# Allegro board EPTS_PERFANL_B_TEZ_V0_0.brd
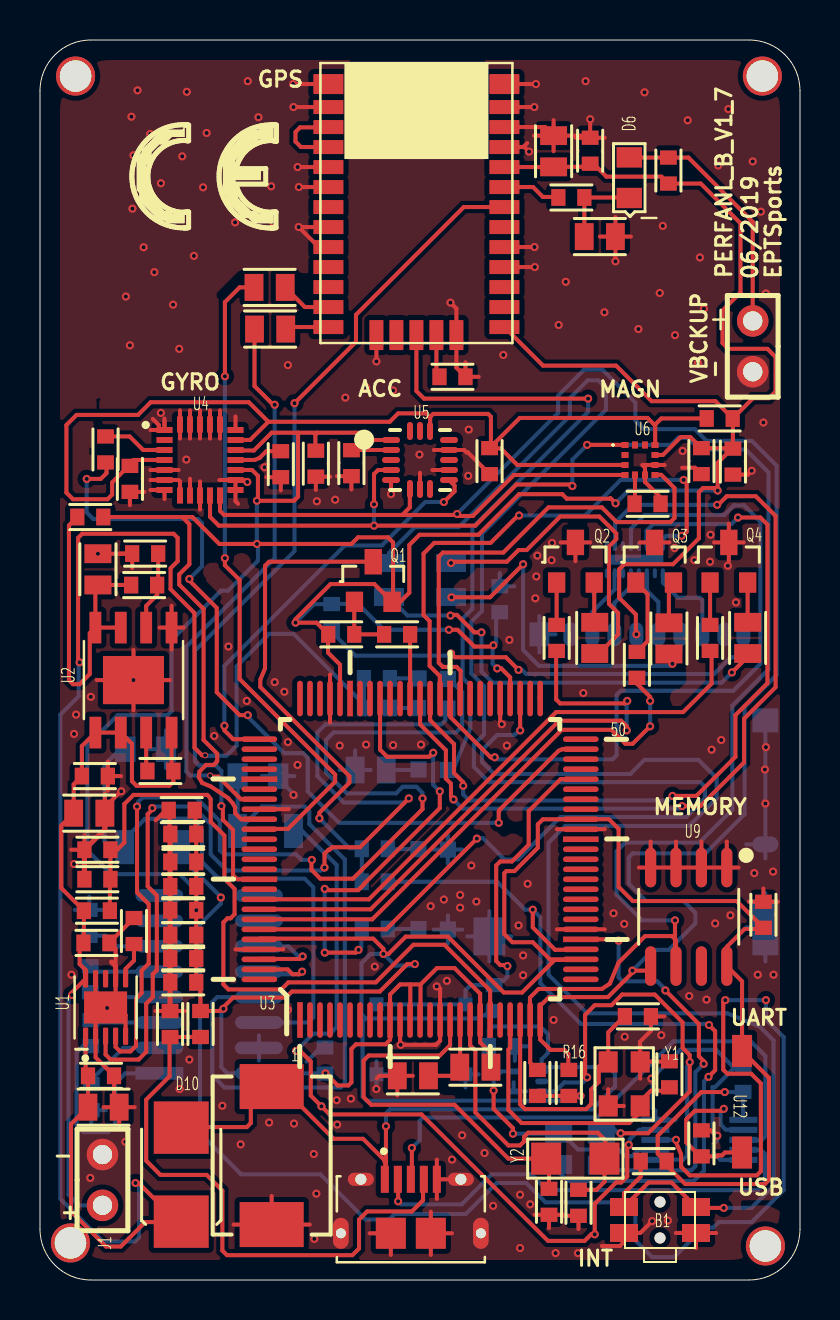
[diagram p0: board, top side]
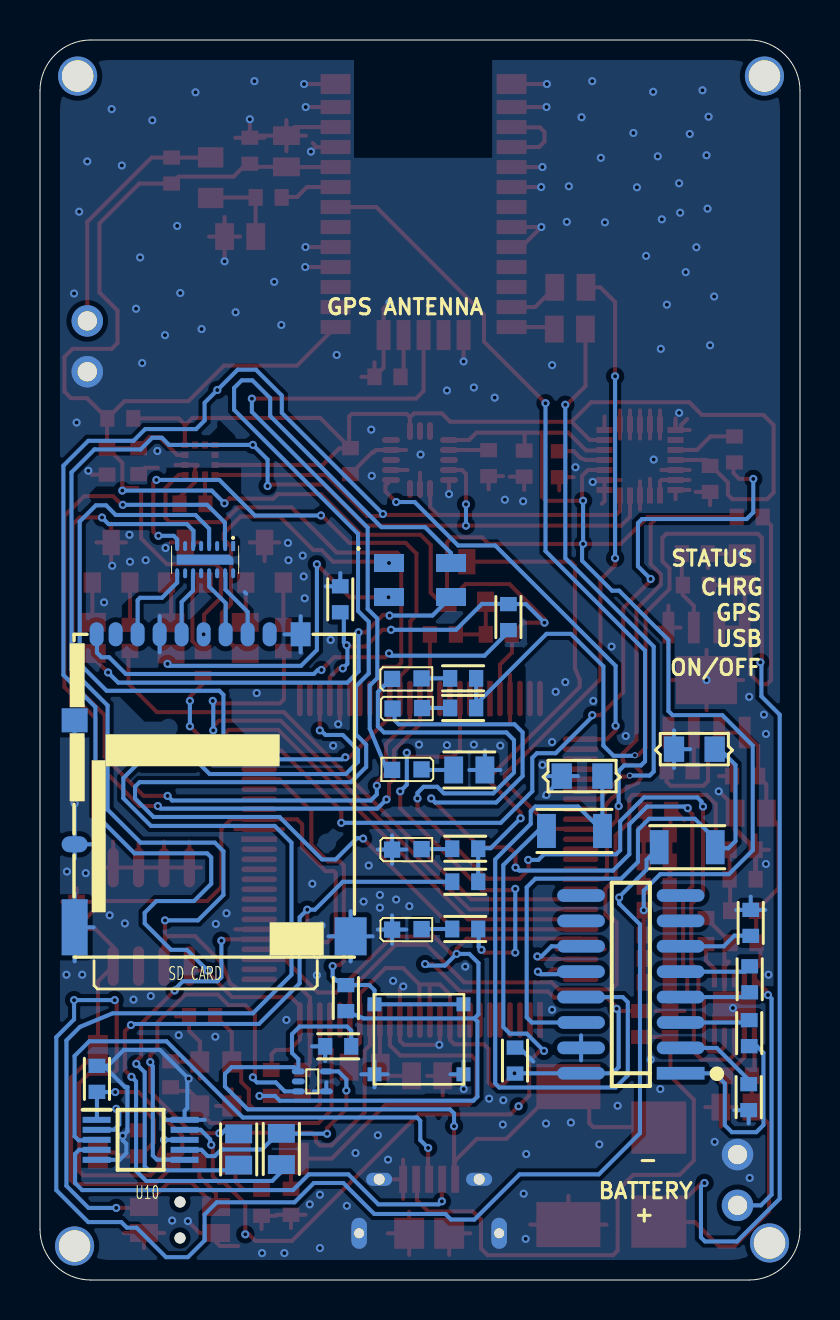
[diagram p1: board, bottom side, seen from below]

Outline 38 x 62 mm; copper layers: TOP, BOTTOM. Coordinates in mm from the lower left corner of the outline.
Outline path: 0,59.46 0,2.54 arc(0.74,0.74) 2.54,0 35.46,0 arc(37.26,0.74) 38,2.54 38,59.46 arc(37.26,61.26) 35.46,62 2.54,62 arc(0.74,61.26) 0,59.46

## Design rules (mm)
constraint set DEFAULT: min track width 0.203

## Placement (name value [footprint] x y rotation side)
B1  SPST_4PIN  [SKSCLDE010]  31 3 0 top
C1  10u/6V3/CER  [SMC0805]  3.18 8.64 0 top
C2  100n  [SMC0603]  3.05 10.21 0 top
C3  0.1u  [SMC0603]  2.82 16.85 0 top
C4  100n  [SMC0603]  2.87 21.51 180 top
C5  10u/6V3/CER  [SMC0805]  2.46 23.34 0 top
C6  100n  [SMC0603]  2.74 25.2 0 top
C7  10u/6V3/CER  [SMC0805]  2.9 35.53 90 top
C8  15p  [SMC0603]  31.47 10.29 90 top
C9  1u  [SMC0805]  18.64 10.21 180 top
C10  15p  [SMC0603]  29.9 13.18 0 top
C11  18p  [SMC0603]  25.45 3.91 90 top
C12  18p  [SMC0603]  26.92 3.86 90 top
C13  100n  [SMC0603]  7.16 14.88 180 top
C14  100n  [SMC0603]  7.16 16.08 180 top
C15  100n  [SMC0603]  7.16 17.25 180 top
C16  100n  [SMC0603]  7.16 18.49 180 top
C17  100n  [SMC0603]  7.16 19.68 180 top
C18  100n  [SMC0603]  7.16 20.9 180 top
C19  100n  [SMC0603]  7.16 22.3 180 top
C20  100n  [SMC0603]  7.09 23.49 180 top
C21  100n  [SMC0603]  12.04 40.79 90 top
C22  100n  [SMC0603]  4.5 40.05 90 top
C23  100n  [SMC0603]  13.79 40.82 90 top
C24  100n  [SMC0603]  15.57 40.84 90 top
C25  100n  [SMC0603]  22.48 40.94 90 top
C26  10u/6V3/CER  [SMC0805]  25.68 56.44 90 top
C27  100n  [SMC0603]  27.51 56.46 90 top
C28  10u/6V3/CER  [SMC0805]  27.99 52.17 0 top
C29  100n  [SMC0603]  33.07 40.94 90 top
C30  10u  [SMC0603]  34.65 40.92 90 top
C31  220n  [SMC0603]  30.38 38.81 180 top
C32  100n  [SMC0603]  14.25 10.97 90 bottom
C33  100n  [SMC0603]  22.99 34.03 270 bottom
C34  220n  [SMC0603]  2.54 12.34 90 bottom
C35  220n  [SMC0603]  2.51 15.04 90 bottom
C36  220n  [SMC0603]  2.46 17.85 90 bottom
C37  220n  [SMC0603]  2.57 9.14 270 bottom
C38  0.1u  [SMC0603]  23.09 11.68 180 bottom
C39  100n  [SMC0603]  36.17 18.26 90 top
C40  100n  [SMC0603]  35.15 10.06 90 bottom
D1  LED-RED  [LED_0603]  19.63 28.6 0 bottom
D2  LED-GREEN  [LED_0603]  19.66 30.08 0 bottom
D3  LED-GREEN  [LED_0603]  19.66 21.55 0 bottom
D4  LED-GREEN  [LED_0603]  19.66 17.55 0 bottom
D5  WL-SFTW  [WL-SFTW_3528]  19 35 180 bottom
D6  1N4148WX  [SMDSOD323SD05T]  29.46 56.13 90 top
D7  LED-GREEN  [LED_0603]  19.66 25.51 180 bottom
D8  SD12C  [SMDSOD323PESD5V]  4.27 26.54 180 bottom
D9  SD12C  [SMDSOD323PESD5V]  9.88 25.2 180 bottom
D10  MBRA340T3  [SMDO214AA21]  7.06 7.62 90 top
D11  SMCJ6.5A  [DIOM8059X265N]  11.58 6.22 90 top
FB1  MPZ1608S601A  [SMR0603]  2.51 38.15 0 top
FB2  MPZ1608S601A  [SMR0603]  33.99 43.08 180 top
IC1  -  [CAM-M8Q]  18.82 53.85 90 top
J1  CON2  [JUMPER2PAD]  3.12 3.73 90 top
J2  MicroSD_DM3AT  [DM3AT-SF-PEJM5]  29.72 23.87 180 bottom
J5  VBCKP  [JUMPER2PAD]  35.64 47.95 270 top
J6  10118194-0001LF  [AMPHENOL_10118194-0001LF]  18.54 2.34 0 top
NOREF  -  [unnamed]  1.52 1.85 0 top
NOREF#2  -  [unnamed]  36.12 60.2 0 top
NOREF#3  -  [#2]  3.94 49.78 0 top
NOREF#4  -  [unnamed]  36.27 1.7 0 top
NOREF#5  -  [unnamed]  1.78 60.2 0 top
Q1  BC807  [SMSOT23123]  15.72 33.91 0 top
Q2  BC807  [SMSOT23123]  25.83 34.87 0 top
Q3  BC807  [SMSOT23123]  29.79 34.87 0 top
Q4  BC807  [SMSOT23123]  33.5 34.87 0 top
R1  1.5k  [SMR0603]  16.84 28.6 180 bottom
R2  2k2  [SMR0603]  2.84 18.46 180 top
R3  1.5k  [SMR0603]  16.84 30.08 180 bottom
R4  1k  [SMR0603]  4.7 17.45 90 top
R5  6k8  [SMR0603]  2.87 20.04 0 top
R6  100k  [SMR0603]  6.02 25.45 180 top
R7  6k8  [SMR0603]  5.21 34.75 0 top
R8  2k2  [SMR0603]  5.26 36.32 180 top
R9  1k5  [SMR0603]  22.71 14.1 270 bottom
R10  10k  [SMR0603]  15.06 32.28 0 top
R11  2k2  [SMR0603]  17.86 32.28 0 top
R12  10k  [SMR0603]  30.68 5.94 0 top
R13  1k5  [SMR0603]  16.74 21.56 180 bottom
R14  1k5  [SMR0603]  16.74 19.91 180 bottom
R15  1k5  [SMR0603]  8.03 12.8 90 top
R16  1k5  [SMR0603]  26.44 9.85 270 top
R17  1k5  [SMR0603]  24.87 9.85 270 top
R18  1k5  [SMR0603]  6.5 12.8 270 top
R19  470R  [SMR0603]  16.74 17.55 0 bottom
R20  10k  [SMR0805]  21.77 10.64 180 top
R21  220R  [SMR0805]  35.38 32.1 90 top
R22  220R  [SMR0805]  27.74 32.1 90 top
R23  220R  [SMR0805]  31.45 32.08 90 top
R24  1k  [SMR0603]  29.84 30.76 270 top
R25  1k  [SMR0603]  25.83 32.1 270 top
R26  1k  [SMR0603]  33.5 32.1 270 top
R28  0R  [SMR0603]  3.28 41.53 270 top
R29  220R  [SMR0805]  11.51 47.55 180 top
R30  220R  [SMR0805]  11.48 49.63 180 top
R31  1k  [SMR0603]  26.57 54.13 0 top
R32  100k  [SMR0603]  20.62 45.16 0 top
R33  220R  [SMR0805]  16.54 25.5 180 bottom
R34  470R  [SMR1206]  5.64 21.64 180 bottom
R35  470R  [SMR1206]  11.28 22.45 180 bottom
R36  10k  [SMR0603]  14.58 33.15 270 bottom
R37  33R  [SMR0805]  28.07 6.53 90 bottom
R38  33R  [SMR0805]  25.93 6.55 90 bottom
R39  10k  [SMR0603]  33.07 6.83 90 top
R40  0R  [SMR0603]  31.42 55.47 270 top
S1  PUSH-BUTTON-SWITCH  [TL3315NF100Q]  19.05 12.03 180 bottom
U1  BQ24080DRCR  [SON50P300X300X100-11N]  3.28 13.63 90 top
U2  AP7165-SPG-13  [SOIC127P600X163-9N]  4.67 30 90 top
U3  LPC1768  [QUAD50M100WG1660]  13 13 0 top
U4  -  [FXAS21002CQR1]  -92 -59 0 top
U5  MMA8452Q  [QFN50P300X300X100-16N]  19 41 0 top
U6  IIS2MDC  [IIS2MDCTR]  -70 -59 0 top
U7  ST3232CDR  [SOG05016WG244L400]  8.51 14.78 90 bottom
U8  IP4252CZ16  [UFDFN16_IP425X]  29.74 36.02 270 bottom
U9  MB85RC64PNF-G-JNE1  [SOG0508WG244L200]  32.44 18.16 270 top
U10  FSUSB42MUX  [SOP50P490X110-10N]  132.97 -92.99 180 bottom
U11  TPD2E001  [TPD2E001DRLR]  24.38 9.93 180 bottom
U12  -  [CHS-01TA]  35.1 8.91 0 top
Y1  TSX-3225 16.0000MF09Z-AC0  [XTALDFN4]  29.21 9.8 90 top
Y2  CM315D32768DZFT  [XTAL_CM315_SMD]  26.77 6.07 180 top

## Library data of the parts
B1 = SPST_4PIN
C1 C2 C5-C32 C34-C37 C39 C40 = CAPACITOR NON-POL
C3 C4 C38 = CAP NP
C33 = C
D1-D4 D7 = LED
D5 = WL-SFTW
D6 = DIODE ZENER
D8 D9 = DIODE TVS BI-DIR
D10 = 1N5819M/CYL
D11 = DIODE TVS
FB1 FB2 = INDUCTOR/SM
IC1 = CAM-M8Q_0
J1 = CON2
J2 = CON14MICROSD
J5 = HEADER 2
J6 = 10118194-0001LF
Q1-Q4 = BC807-25L
R1-R5 R7-R11 R13-R18 R24-R26 R31 R32 R34 R35 R39 = RESISTOR/SM_0
R6 R19 R21-R23 R29 R30 R33 = RESISTOR
R12 R20 = RESISTOR/SM
R28 R36-R38 R40 = R
S1 = PUSH-BUTTON-SWITCH
U1 = BQ24081DCR
U2 = AP7165-SPG-13_0
U3 = LPC236x_1
U4 = FXAS21002CQR1
U5 = MAX9754_0
U6 = IIS2MDC
U7 = ICL232/SO_4
U8 = IP4252CZ16
U9 = AT24C64N/SO8_0
U10 = FSUSB42MUX
U11 = MCP2551_0
U12 = CHS-01TA_0
Y1 = CRYSTAL_3
Y2 = CRYSTAL/SM

## Footprints (pads in the part's own frame, mm; a bottom-side part is the same pattern mirrored in y, then rotated)
AMPHENOL_10118194-0001LF
  rect 0.4x1.35 smd: 1(-1.3,2.7) 2(-0.65,2.7) 3(0,2.7) 4(0.65,2.7) 5(1.3,2.7)
  oval 1.3x0.65 hole 0.55: S1(-2.5,2.7) S2(2.5,2.7)
  oval 0.775x1.55 hole 0.5: S3(-3.5,0) S6(3.5,0)
  rect 1.5x1.55 smd: S4(-1,0) S5(1,0)
CAM-M8Q
  custom 0.7x1.5 smd: 1(-6.2,-4.4) 2(-5.2,-4.4) 3(-4.2,-4.4) 4(-3.2,-4.4) 5(-2.2,-4.4) 6(-1.2,-4.4) 7(-0.2,-4.4) 8(0.8,-4.4) 9(1.8,-4.4) 10(2.8,-4.4) 11(3.8,-4.4) 12(4.8,-4.4) 15(4.8,4.4) 16(3.8,4.4) 17(2.8,4.4) 18(1.8,4.4) 19(0.8,4.4) 20(-0.2,4.4) 21(-1.2,4.4) 22(-2.2,4.4) 23(-3.2,4.4) 24(-4.2,4.4) 25(-5.2,4.4) 26(-6.2,4.4)
  custom 1x1.5 smd: 13(5.95,-4.4) 14(5.95,4.4)
  custom 1.5x0.7 smd: 27(-6.6,2) 28(-6.6,1) 29(-6.6,0) 30(-6.6,-1) 31(-6.6,-2)
CHS-01TA
  rect 1x1.6 smd: S0(0,-2.54) SI(0,2.54)
DIOM8059X265N
  rect 2.25x3.2 smd: 1(-3.45,0) 2(3.45,0)
DM3AT-SF-PEJM5
  oval 0.7x1.2 smd: 1(3.2,8.41) 2(2.1,8.41) 3(1,8.41) 4(-0.1,8.41) 5(-1.2,8.41) 6(-2.3,8.41) 7(-3.4,8.41) 8(-4.5,8.41) 9(-5.45,8.41)
  oval 1.3x0.8 smd: 10(-6.55,-2.09)
  rect 1.3x1.2 smd: 11(-6.55,4.11)
  rect 1.3x2.8 smd: 12(-6.55,-6.24)
  rect 1.6x1.9 smd: 13(7.25,-6.69)
  rect 1x1.2 smd: 14(4.75,8.41)
FXAS21002CQR1
  rect 0.8x0.3 smd: 1(98.225,101.5) 2(98.225,101) 3(98.225,100.5) 4(98.225,100) 5(98.225,99.5) 6(98.225,99) 7(98.225,98.5) 13(101.775,98.5) 14(101.775,99) 15(101.775,99.5) 16(101.775,100) 17(101.775,100.5) 18(101.775,101) 19(101.775,101.5)
  rect 0.3x0.8 smd: 8(99,98.225) 9(99.5,98.225) 10(100,98.225) 11(100.5,98.225) 12(101,98.225) 20(101,101.775) 21(100.5,101.775) 22(100,101.775) 23(99.5,101.775) 24(99,101.775)
IIS2MDCTR
  rect 0.35x0.3 smd: 1(99.25,100.75) 2(99.25,100.25) 3(99.25,99.75) 4(99.25,99.25) 7(100.75,99.25) 8(100.75,99.75) 9(100.75,100.25) 10(100.75,100.75)
  rect 0.3x0.35 smd: 5(99.75,99.25) 6(100.25,99.25) 11(100.25,100.75) 12(99.75,100.75)
JUMPER2PAD
  round 1.575 hole 0.965: 1(0,0) 2(2.54,0)
LED_0603
  rect 0.813x0.813 smd: 1(-0.737,0) 2(0.737,0.025)
QFN50P300X300X100-16N
  oval 0.9x0.3 smd: 1(-1.45,1) 2(-1.45,0.5) 3(-1.45,0) 4(-1.45,-0.5) 5(-1.45,-1) 9(1.45,-1) 10(1.45,-0.5) 11(1.45,0) 12(1.45,0.5) 13(1.45,1)
  oval 0.3x0.9 smd: 6(-0.5,-1.45) 7(0,-1.45) 8(0.5,-1.45) 14(0.5,1.45) 15(0,1.45) 16(-0.5,1.45)
QUAD50M100WG1660
  rect 0.279x1.778 smd: 1(0,0) 10(4.503,0) 20(9.507,0) 60(7.506,16.073) 70(2.502,16.073)
  oval 0.279x1.778 smd: 2(0.5,0) 3(1.001,0) 4(1.501,0) 5(2.002,0) 6(2.502,0) 7(3.002,0) 8(3.503,0) 9(4.003,0) 11(5.004,0) 12(5.504,0) 13(6.005,0) 14(6.505,0) 15(7.005,0) 16(7.506,0) 17(8.006,0) 18(8.506,0) 19(9.007,0) 21(10.008,0) 22(10.508,0) 23(11.008,0) 24(11.509,0) 25(12.009,0) 51(12.009,16.073) 52(11.509,16.073) 53(11.008,16.073) 54(10.508,16.073) 55(10.008,16.073) 56(9.507,16.073) 57(9.007,16.073) 58(8.506,16.073) 59(8.006,16.073) 61(7.005,16.073) 62(6.505,16.073) 63(6.005,16.073) 64(5.504,16.073) 65(5.004,16.073) 66(4.503,16.073) 67(4.003,16.073) 68(3.503,16.073) 69(3.002,16.073) 71(2.002,16.073) 72(1.501,16.073) 73(1.001,16.073) 74(0.5,16.073) 75(0,16.073)
  oval 1.778x0.279 smd: 26(14.041,2.032) 27(14.041,2.532) 28(14.041,3.033) 29(14.041,3.533) 31(14.041,4.534) 32(14.041,5.034) 33(14.041,5.535) 34(14.041,6.035) 35(14.041,6.535) 36(14.041,7.036) 37(14.041,7.536) 38(14.041,8.037) 39(14.041,8.537) 41(14.041,9.538) 42(14.041,10.038) 43(14.041,10.538) 44(14.041,11.039) 45(14.041,11.539) 46(14.041,12.04) 47(14.041,12.54) 48(14.041,13.04) 49(14.041,13.541) 50(14.041,14.041) 76(-2.032,14.041) 77(-2.032,13.541) 78(-2.032,13.04) 79(-2.032,12.54) 81(-2.032,11.539) 82(-2.032,11.039) 83(-2.032,10.538) 84(-2.032,10.038) 85(-2.032,9.538) 86(-2.032,9.037) 87(-2.032,8.537) 88(-2.032,8.037) 89(-2.032,7.536) 91(-2.032,6.535) 92(-2.032,6.035) 93(-2.032,5.535) 94(-2.032,5.034) 95(-2.032,4.534) 96(-2.032,4.034) 97(-2.032,3.533) 98(-2.032,3.033) 99(-2.032,2.532) 100(-2.032,2.032)
  rect 1.778x0.279 smd: 30(14.041,4.034) 40(14.041,9.037) 80(-2.032,12.04) 90(-2.032,7.036)
SKSCLDE010
  round 0.55 hole 0.55 unplated: (0,0.9) (0,-0.9)
  rect 1.4x0.9 smd: 1(-1.8,-0.65) 2(1.8,-0.65) 3(-1.8,0.65) 4(1.8,0.65)
SMC0603
  rect 0.711x0.838 smd: 1(-0.65,0) 2(0.65,0)
SMC0805
  rect 0.94x1.346 smd: 1(-0.78,0) 2(0.78,0)
SMDO214AA21
  rect 2.616x2.743 smd: 1(0,0) 2(-4.699,0)
SMDSOD323PESD5V
  rect 1.016x1.27 smd: 1(0,0) 2(-2.032,0)
SMDSOD323SD05T
  rect 1.016x1.27 smd: 1(0,0) 2(-2.032,0)
SMR0603
  rect 0.711x0.838 smd: 1(-0.65,0) 2(0.65,0)
SMR0805
  rect 0.94x1.346 smd: 1(-0.78,0) 2(0.78,0)
SMR1206
  rect 0.94x1.702 smd: 1(-1.4,0) 2(1.4,0)
SMSOT23123
  rect 0.864x1.016 smd: 1(0,0) 2(1.88,0)
  rect 0.864x1.27 smd: 3(0.94,2.007)
SOG0508WG244L200
  oval 1.981x0.559 smd: 1(-2.464,1.905) 2(-2.464,0.635) 3(-2.464,-0.635) 4(-2.464,-1.905) 5(2.464,-1.905) 6(2.464,-0.635) 7(2.464,0.635) 8(2.464,1.905)
SOG05016WG244L400
  rect 0.635x2.388 smd: 1(-4.445,-2.54)
  oval 0.635x2.388 smd: 2(-3.175,-2.54) 3(-1.905,-2.54) 4(-0.635,-2.54) 5(0.635,-2.54) 6(1.905,-2.54) 7(3.175,-2.54) 8(4.445,-2.54) 9(4.445,2.438) 10(3.175,2.438) 11(1.905,2.438) 12(0.635,2.438) 13(-0.635,2.438) 14(-1.905,2.438) 15(-3.175,2.438) 16(-4.445,2.438)
SOIC127P600X163-9N
  rect 1.58x0.59 smd: 1(-2.625,1.905) 2(-2.625,0.635) 3(-2.625,-0.635) 4(-2.625,-1.905) 5(2.625,-1.905) 6(2.625,-0.635) 7(2.625,0.635) 8(2.625,1.905)
  rect 2.41x3.05 smd: 9(0,0)
SON50P300X300X100-11N
  custom 0.86x0.26 smd: 1(-1.435,1) 2(-1.435,0.5) 3(-1.435,0) 4(-1.435,-0.5) 5(-1.435,-1) 6(1.435,-1) 7(1.435,-0.5) 8(1.435,0) 9(1.435,0.5) 10(1.435,1)
  rect 1.6x2.15 smd: 11(0,0)
SOP50P490X110-10N
  rect 1.4x0.3 smd: 1(97.8,101) 2(97.8,100.5) 3(97.8,100) 4(97.8,99.5) 5(97.8,99) 6(102.2,99) 7(102.2,99.5) 8(102.2,100) 9(102.2,100.5) 10(102.2,101)
TL3315NF100Q
  rect 0.7x0.7 smd: 1(-2.225,1.75) 2(2.225,1.75) 3(-2.225,-1.75) 4(2.225,-1.75)
TPD2E001DRLR
  oval 0.65x0.3 smd: 1(-0.7,0.5) 2(-0.7,0) 3(-0.7,-0.5) 4(0.7,-0.5) 5(0.7,0.5)
UFDFN16_IP425X
  rect 0.5x0.2 smd: 1(-0.68,1.4)
  oval 0.5x0.2 smd: 2(-0.68,1) 3(-0.68,0.6) 4(-0.68,0.2) 5(-0.68,-0.2) 6(-0.68,-0.6) 7(-0.68,-1) 8(-0.68,-1.4) 9(0.68,-1.4) 10(0.68,-1) 11(0.68,-0.6) 12(0.68,-0.2) 13(0.68,0.2) 14(0.68,0.6) 15(0.68,1) 16(0.68,1.4)
  oval 0.2x0.5 smd: 17(0,0)
unnamed
  round 1.956 hole 1.575: 3(0,0)
WL-SFTW_3528
  rect 1.5x0.9 smd: 1(1.55,0.85) 2(1.55,-0.85) 3(-1.55,0.85) 4(-1.55,-0.85)
XTAL_CM315_SMD
  rect 1.499x1.6 smd: 1(-1.453,0) 2(1.463,0)
XTALDFN4
  rect 1.06x0.95 smd: 1(-1.1,-0.8) 2(1.1,-0.8) 3(1.1,0.8) 4(-1.1,0.8)

## Nets
3.3V_UC: C13.1 C14.1 C15.1 C16.1 C17.1 C18.1 C19.1 C20.1 C23.2 C26.1 C27.1 C29.2 C30.2 C32.1 C33.2 C39.1 C40.1 FB1.2 FB2.1 IC1.1(VIO) IC1.9 J2.4 Q1.2(EMITTER) R9.2 R10.1 R12.2 R15.2 R16.2 R17.2 R20.1 R36.1 R40.2 U3.10 U3.12 U3.13 U3.19 U3.28 U3.42 U3.54 U3.71 U3.84 U3.96 U4.15 U4.17 U5.1(VDDIO) U6.9 U7.16(VCC) U9.8 U10.1 U12.SI
AVDD33: C22.2 C25.2 FB2.2 U4.4 U4.18 U5.14 U6.3 U6.10(VDDIO)
GND: B1.1 B1.2 C1.2 C2.2 C3.2 C4.2 C5.2 C6.2 C7.2 C8.2 C9.2 C10.2 C11.1 C12.1 C13.2 C14.2 C15.2 C16.2 C17.2 C18.2 C19.2 C20.2 C21.1 C22.1 C23.1 C24.1 C25.1 C26.2 C27.2 C28.2 C29.1 C30.1 C31.1 C32.2 C33.1 C36.2 C37.2 C38.1 C39.2 C40.2 D3.2(CATHODE) D4.2(CATHODE) D8.2 D9.2 D11.1 IC1.4 IC1.5 IC1.10 IC1.11 IC1.12 IC1.13 IC1.14 IC1.15 IC1.18 IC1.19 IC1.21 IC1.22 IC1.27 IC1.31 J1.2 J2.6 J2.10 J2.11 J2.12 J2.13 J2.14 J5.2 J6.5 J6.S1 J6.S2 J6.S3 J6.S4 J6.S5 J6.S6(SHIELD__5) Q2.3 Q3.3 Q4.3 R4.2 R5.1 R8.2 R18.1 R32.2 R33.2 R39.2 S1.3 S1.4(P$2__1) U1.2 U1.5(VSS) U1.7 U1.9 U1.11 U2.5 U2.9 U3.11 U3.15 U3.31 U3.41 U3.55 U3.72 U3.83 U3.97 U4.1 U4.5 U4.6 U4.7 U4.8 U4.9 U4.10 U4.13 U4.14 U4.19 U4.20 U4.21 U4.22 U4.23 U4.24 U5.5 U5.7 U5.10 U5.12 U6.6 U6.8 U7.15 U8.17(GND) U9.1 U9.2 U9.3 U9.4 U10.5 U10.10(_OE) U11.4 Y1.2 Y1.4
VBAT: C3.1 C5.1 C6.1 J1.1 R2.2 R6.1 U1.10 U2.1 U2.2 U2.4
VBAT_ADC: C4.1 R2.1 R5.2 U3.20
VBUS: C1.1 C2.1 D10.2(CATHODE) R1.2 R3.2 U1.1
ACC_INT: U3.76 U5.9
GPS_INT: IC1.7 U3.90
GYRO_INT: R28.2 U3.49
MAGNO_INT: U3.59 U6.7
MCI_CS: U3.63 U8.2
MCI_DAT_IN: U3.60 U8.4
MCI_DAT_OUT: U3.61 U8.8
MCI_DETECT: J2.9 R36.2
MCI_SCL: U3.62 U8.6
NC4: U5.15
NC5: U5.16
ON/OFF: R9.1 S1.1 S1.2 U3.46
ON_OFF_LED: R19.1 U3.67
RGB_BLUE: R26.2 U3.92
RGB_CONTROL: D5.1 U3.95
RGB_GREEN: R24.2 U3.94
RGB_RED: R25.2 U3.93
SCL: R17.1 U3.24 U4.11 U5.4 U6.1 U9.6
SDA: R16.1 U3.25 U4.12 U5.6 U6.4 U9.5
UC_RXD0: U3.99 U7.12
UC_RXD0_232: R35.1 U10.9
UC_RXD3: R30.2 U3.85
UC_TXD0: U3.98 U7.11
UC_TXD0_232: R34.1 U10.8
UC_TXD3: R29.2 U3.82
USB_CON: R11.2 U3.64
USB_DN: R37.1 U3.30
USB_DP: R14.1 R38.1 U3.29
USB_ID: J6.4 R15.1 R18.2
N17244: R7.2 R8.1 U2.6
N17270: C7.1 FB1.1 R7.1 U2.7 U2.8
N39514: Q4.1 R26.1
N39522: Q4.2(EMITTER) R21.2
N40407: Q2.1 R25.1
N40419: Q2.2(EMITTER) R22.2
N40627: Q3.1 R24.1
N40639: Q3.2(EMITTER) R23.2
N40729: D5.2 R21.1
N40756: D5.4 R23.1
N41543: D5.3(RC) R22.1
N77164: IC1.26 R29.1
N77272: IC1.16 IC1.17
N77740: IC1.8 R31.1
N79263: IC1.25 R30.1
N79331: D7.1 IC1.29
N79337: IC1.30 R32.1
N79832: D7.2(CATHODE) R33.1
N89007: R38.2 U10.7 U11.5
N89296: R37.2 U10.6 U11.3
N89931: C38.2 D10.1 D11.2(CATHODE) J6.1 U11.1(VCC)
N90614: J6.2 U10.4
N90618: J6.3 U10.3
N117234: R39.1 U10.2 U12.S0(SO)
N125821: R28.1 U4.3
N127071: C21.2 U4.16(VREGD)
N134848: R6.2 U2.3(POK)
N140250: J2.5 U8.11
N140575: J2.7 U8.9
N141763: B1.3(4) B1.4 R12.1 U3.53
N149349: J2.2 U8.15
N161452: J2.3 U8.13
N162278: D6.1 J5.1 R40.1
N16778025: D4.1 R19.2
N16778166: C9.1 R20.2 U3.17
N16778251: Q1.1 R10.2 R11.1
N16778293: Q1.3 R13.2 R14.2
N16778314: D3.1 R13.1
N16778668: C10.1 U3.23(X2) Y1.3
N16778761: C11.2 U3.16 Y2.2
N16778765: C12.2 U3.18 Y2.1
N16778972: C8.1 U3.22 Y1.1
N16791656: U3.48
N16801749: D1.1 R1.1
N16801751: D2.2(CATHODE) U1.4
N16801753: D1.2(CATHODE) U1.3
N16801755: D2.1 R3.1
N16801793: R4.1 U1.6
N16807703: D9.1 R35.2 U7.13
N16807705: D8.1 R34.2 U7.14
N16807731: C35.1 U7.4
N16807744: C34.1 U7.1
N16807746: C35.2 U7.5
N16807750: C37.1 U7.2
N16807752: C36.1 U7.6
N16807763: C34.2 U7.3
N16811596: C24.2 U5.2
N16811672: C31.2 U6.5
N16811851: C28.1 D6.2(CATHODE) R31.2

Pads without a net: IC1 2 3 6 20 23 24 28; J2 1 8; NOREF 3; NOREF#2 3; NOREF#4 3; NOREF#5 3; U1 8; U3 1 2 3 4 5 6 7 8 9 14 21 26 27 32 33 34 35 36 37 38 39 40 43 44 45 47 50 51 52 56 57 58 65 66 68 69 70 73 74 75 77 78 79 80 81 86 87 88 89 91 100; U4 2; U5 3 8 11 13; U6 2 11 12; U7 7 8 9 10; U8 1 3 5 7 10 12 14 16; U9 7; U11 2

## Via types
v1: diameter 0.406, hole 0.203, TOP to BOTTOM, 275 vias
v2: diameter 0.305, hole 0.203, TOP to BOTTOM, 2 vias

## Routing (per net, layer and track width the routed paths; a pad name or vN(x,y) marks a point on that pad's centre or on a via; arc(x,y) is an arc through that point)
3.3V_UC: length 346.5
  TOP w0.203: 7.11,38.15 7.62,38.15 8.97,36.8 v1(10.85,36.8) 15.57,36.8 15.9,37.13 17.4,37.13 17.65,36.88 17.65,33.91 ; 7.11,38.15 FB1.2 ; 7.11,38.15 7.47,37.79 7.47,35.79 6.96,35.28 6.96,34.77 8.18,33.55 8.18,27 8.86,26.32 8.86,25.98 8.84,25.96 8.84,25.91 8.69,25.75 8.31,25.75 7.98,25.42 7.94,25.14 8.11,24.86 8.54,24.67 9.4,24.1 9.63,23.85 9.75,23.62 9.75,23.34 10.06,23.04 U3.84 ; U5.1 16.55,42 16.18,42.37 13.87,42.37 ; v1(22.67,31.74) 22.61,31.67 21.72,31.67 20.88,32.51 v1(20.45,32.51) ; 19.03,14.78 19.84,15.59 20.73,15.59 22.01,14.31 U3.19 22.01,11.88 22.55,11.33 R20.1 22.42,10.64 ; 19.03,14.78 19.03,13.02 U3.13 ; 19.03,14.78 18.52,14.78 ; v1(27.03,9.2) R16.2 R17.2 ; v1(34.24,9.4) 33.07,9.4 30.89,7.21 30.89,6.31 31.26,5.94 R12.2 31.33,5.72 32.26,4.8 36.25,4.8 36.45,5 36.45,10.11 U12.SI 35.1,14.93 U9.8 34.34,16.66 35.23,17.55 36.11,17.55 C39.1 34.83,18.95 29.64,18.95 28.93,19.66 28.93,22.55 28.45,23.04 U3.42 27.04,23.04 25.15,23.04 24.89,22.78 24.89,21.61 23.72,20.45 23.32,20.45 23.22,20.34 23.22,17.3 23.62,16.89 24.64,16.89 25.49,16.03 U3.28 27,16 25.73,16 24.1,14.38 23.19,14.38 20.4,17.17 18.29,17.17 17.42,16.31 v1(17.17,16.31) 17.17,16.56 16.66,17.07 11,17.07 U3.96 ; v1(28.78,38.84) 28.52,39.09 28.5,39.06 26.34,39.06 26.11,39.29 23.95,39.29 21.92,37.26 18.97,37.26 18.47,36.75 18.47,34.36 18.01,33.91 17.65,33.91 ; 34.62,41.59 C30.2 34.65,43.07 FB2.1 ; 34.62,41.59 C29.2 32.51,42.15 32.04,42.15 31.14,41.25 U6.9 ; 34.62,41.59 33.88,40.86 v1(33.88,39.47) 33.76,39.6 33.15,39.6 32.94,39.39 32.94,37.08 31.65,35.79 29.21,35.79 28.96,35.53 28.96,34.11 29.79,33.27 29.79,32.31 v1(29.82,32.28) ; U3.12 18.52,13.01 18.52,14.78 ; 13.87,42.37 13.77,42.26 13.77,41.49 C23.2 ; 13.87,42.37 12.9,42.37 ; C20.1 7.77,23.46 7.77,22.34 C19.1 C18.1 C17.1 v1(7.81,18.49) C15.1 C14.1 C13.1 8.03,14.67 R15.2 8.98,13.45 9.07,13.54 9.14,13.54 v1(9.17,13.56) 9.19,13.59 9.19,13.66 9.65,14.12 12.29,14.12 12.6,14.43 16.99,14.43 18.36,15.8 v1(18.75,15.8) ; IC1.9 25.67,55.65 C26.1 27.35,55.66 C27.1 27.68,55.81 28.32,55.17 31.07,55.17 R40.2 33.03,54.82 35.03,52.83 35.03,49.38 34.12,48.47 34.12,46.85 34.42,46.56 36.37,46.56 36.78,46.15 36.78,44.42 36.45,44.09 35.65,44.09 FB2.1 ; FB2.1 33.77,43.94 30.58,43.94 28.8,45.72 25.15,45.72 IC1.1 ; 17.65,33.91 Q1.2 16.71,34.8 14.53,34.8 12.78,33.04 v1(12.78,32.87) 13.83,32.87 R10.1 14.4,32.27 14.4,31.37 15,30.77 U3.71 ; 18.52,14.78 18,14.78 17.5,14.28 U3.10 17.5,12.01 17.27,11.78 15.8,11.78 15.57,11.56 15.57,9.88 15.42,9.73 14.88,9.73 v1(14.27,10.34) ; U4.17 9.8,41.48 10.69,41.48 11.58,42.37 12.9,42.37 ; U4.15 10.6,40.5 10.9,40.21 10.9,39.01 v1(10.85,38.96) 12.7,38.96 12.9,39.17 12.9,42.37 ; U3.54 23.51,30.14 23.06,30.58 v1(22.86,30.58)
  BOTTOM w0.203: 22.99,33.4 C33.2 22.81,33.21 22.81,31.88 v1(22.67,31.74) 22.63,31.7 22.63,30.81 v1(22.86,30.58) ; v1(20.45,32.51) 17.2,32.51 15.9,33.81 14.59,33.81 R36.1 13.71,33.8 v1(12.78,32.87) ; v1(29.82,32.28) 29.82,32.28 ; R9.2 21.82,13.08 16.28,13.08 ; 16.28,13.08 16.13,12.93 16.13,9.17 16.33,8.96 26.01,8.96 26.25,9.2 v1(27.03,9.2) ; 16.28,13.08 16.08,13.28 16.08,15.85 16.54,16.31 v1(17.17,16.31) 17.75,15.72 18.67,15.72 v1(18.75,15.8) ; v1(33.88,39.47) 29.41,39.47 v1(28.78,38.84) ; C32.1 14.23,10.34 U7.16 9.37,10.34 9.07,10.64 9.07,13.41 9.17,13.51 v1(9.17,13.56) ; v1(10.85,38.96) v1(10.85,36.8) 10.9,36.75 10.9,35.97 9.4,34.47 9.04,34.47 6.58,32 6.58,28.45 6.38,28.24 3.89,28.24 2.36,26.72 2.36,21.49 3.56,20.29 6.99,20.29 7.81,19.47 v1(7.81,18.49) ; U10.1 35.15,8.02 C40.1 35.14,9.4 v1(34.24,9.4)
AVDD33: length 56.3
  TOP w0.203: U6.10 30.76,41.76 30.76,42.77 ; 30.76,42.77 31.06,43.08 FB2.2 ; 30.76,42.77 30.71,42.77 30.38,43.1 23.99,43.1 22.55,41.66 ; U4.4 4.66,41 4.5,40.83 C22.2 4.43,40.7 3.61,39.88 3.61,39.27 3.38,39.04 1.65,39.04 1.32,39.37 1.32,42.75 1.83,43.25 4.9,43.25 5.54,43.89 10.44,43.89 11.42,42.91 ; 22.55,41.66 22.55,43.16 22.4,43.31 19.66,43.31 19.51,43.15 19.51,43.13 ; 22.55,41.66 C25.2 22.49,41.58 23.04,41.58 23.87,40.75 U6.3 ; U4.18 10.51,42 11.42,42.91 ; 19.51,43.13 19.51,42.46 U5.14 ; 19.51,43.13 19.3,43.33 17.91,43.33 17.49,42.91 11.42,42.91
GND: length 264.7
  TOP w0.203: 25.85,17.53 U3.31 28.23,17.53 ; J6.5 20.35,5.04 ; J6.5 19.84,6.02 ; J6.5 19.84,4.06 ; U9.3 31.8,21.92 ; U9.3 32.39,20.62 ; U9.3 31.22,20.62 ; 1.56,21.51 C4.2 2.22,22.24 ; v1(24.45,56.42) 24.22,56.65 24.16,56.65 ; 5.94,42.54 5.94,42.75 5.64,43.05 ; C6.2 4.05,25.2 ; C6.2 3.39,25.92 ; C6.2 3.39,24.47 ; IC1.19 v1(12.94,54.65) ; R39.2 33.53,7.48 33.77,7.24 33.84,7.24 v1(33.87,7.21) ; 6.58,31.53 U2.5 ; U2.5 5.98,32.62 ; U2.5 6.58,33.72 ; U2.5 7.18,32.62 ; 9.77,16.53 U3.97 12.16,16.53 ; 24.73,3.26 C11.1 ; C11.1 25.45,2.6 ; C11.1 26.17,3.26 ; R32.2 20.82,45.61 IC1.31 20.82,48.57 v1(20.52,48.87) ; R32.2 21.94,45.16 ; R32.2 21.27,45.88 ; C28.2 29.55,52.17 ; C28.2 28.77,53.15 ; C28.2 28,52.17 ; C28.2 v1(28.77,50.93) ; 5.52,42.5 U4.1 ; U4.1 6.22,42.52 6.22,43.08 ; U4.1 6.23,42.96 ; U5.10 19.62,40.5 ; U1.11 3.78,14.13 U1.7 ; U1.11 3.19,13.63 2.78,13.22 U1.2 2.78,11.13 C2.2 3.7,8.9 C1.2 ; U1.11 2.78,14.13 U1.9 ; U1.11 3.9,13.63 4.28,13.25 U1.5 ; 19.54,1.26 J6.S5 ; J6.S5 20.6,2.34 ; J6.S5 19.54,3.42 ; 7,43.48 U4.24 7,42.07 ; 31.23,40.75 U6.8 30.13,40.75 30.12,40.74 30.25,40.61 U6.6 30.25,39.9 31.04,39.11 31.04,38.81 C31.1 ; 30.01,10.07 Y1.2 ; Y1.2 30,10.9 ; Y1.2 30.01,11.74 ; 6.23,39.05 U4.7 5.52,39.5 ; 32.11,40.61 32.75,40.61 C29.1 ; 19.89,14.68 20.01,14.56 U3.15 20.01,11.96 19.8,11.76 18.11,11.76 18,11.87 U3.11 ; U4.14 10.26,40 v1(10.36,39.9) ; U4.14 8.97,40 ; U4.14 U4.13 9.78,38.94 9.91,38.81 ; C27.2 28.23,57.11 ; C27.2 v1(27.51,58.04) ; C27.2 26.78,57.11 ; C27.2 27.4,57.22 C26.2 ; 4.01,24.41 3.24,23.64 ; 3.24,23.64 3.24,24.32 ; 3.24,23.64 C5.2 ; 4.61,35.6 R8.2 ; R8.2 4.6,36.31 v1(2.9,36.31) ; R8.2 3.95,36.32 ; U9.2 33.07,21.92 ; U9.2 32.49,20.62 ; U9.2 33.66,20.62 ; 33.76,20.62 U9.1 ; U9.1 34.34,21.92 ; U9.1 34.93,20.62 ; 26.77,35.94 Q2.3 ; Q2.3 27.51,36.88 ; Q2.3 26.03,36.88 ; 28.09,1.7 29,1.7 29.2,1.9 B1.1 30.01,2.35 v1(30.61,2.95) ; 30,10.9 30,10.9 30.02,10.92 31.47,10.92 C8.2 ; 30,10.9 30,11.91 30.55,12.46 C10.2 31.21,13.18 ; D11.1 13.49,2.77 ; D11.1 11.58,4.2 ; D11.1 9.68,2.77 ; 16.49,2.34 J6.S4 17.54,1.26 ; 34.44,35.94 Q4.3 ; Q4.3 34.44,37.82 ; Q4.3 33.71,36.88 ; Q4.3 35.18,36.88 ; v1(4.67,30) 4.67,31.51 ; v1(4.67,30) 6.5,30 ; v1(4.67,30) 4.67,28.49 ; v1(4.67,30) 2.84,30 ; 5.52,40 U4.6 6.93,40 7,39.93 U4.8 ; 29.95,20.62 U9.4 ; U9.4 31.12,20.62 ; U9.4 30.53,21.92 ; 13.79,39.51 C23.1 14.52,40.17 ; IC1.13 v1(24.8,59.8) ; 28.23,22.54 U3.41 25.85,22.54 ; C26.2 25.25,57.65 IC1.11 ; C26.2 24.7,57.22 ; C26.2 25.68,56.44 ; C26.2 25.68,57.99 ; 4.7,18.08 R4.2 3.47,16.87 C3.2 3.78,16.55 3.78,15.7 ; 9,42.07 U4.20 9,43.48 ; C1.2 4.73,8.64 ; C1.2 3.18,8.64 ; C1.2 3.96,7.66 ; 15.57,39.53 C24.1 14.85,40.19 ; 12.44,23.54 U3.83 ; IC1.22 13.93,51.65 v1(12.93,52.65) IC1.21 ; C19.2 6.48,22.34 6.48,23.45 C20.2 6.3,23.49 5.79,22.99 ; C9.2 18.64,10.21 ; C9.2 17.86,9.23 ; C9.2 16.97,10.21 16.84,10.08 ; 7.23,13.45 R18.1 5.78,13.45 ; 24.16,56.65 24.36,56.84 ; 24.16,56.65 IC1.10 ; IC1.4 v1(24.74,50.65) ; 8,38.52 U4.10 8,39.93 ; 14.5,30.27 U3.72 14.5,27.88 ; 26.2,3.21 C12.1 26.92,2.55 ; 30,36.88 Q3.3 31.47,36.88 ; 8,43.48 U4.22 8,42.07 ; B1.2 33.8,2.35 ; B1.2 31.8,2.35 ; B1.2 32.8,1.6 ; v1(35.59,40.46) 35.39,40.27 C30.1 ; v1(23.09,27.79) 23.01,27.79 U3.55 ; 28.41,9.54 Y1.4 29.19,8.7 ; IC1.14 v1(12.66,59.8) ; U4.19 9.78,43.17 ; U4.9 7.5,40.06 ; 5.22,39.4 C22.1 4.5,38.74 ; 7.5,43.48 U4.23 7.5,42.07 ; C39.2 36.17,19.57 ; C39.2 35.45,18.91 ; C39.2 36.89,18.91 ; IC1.15 v1(12.68,58.65) ; 8.5,43.48 U4.21 8.5,42.07 ; 12.04,39.48 C21.1 11.32,40.14 ; C25.1 21.39,41.38 21.32,41.38 21.2,41.5 U5.12 19.7,41.5 ; U5.7 19,40.36 ; IC1.5 v1(24.73,51.65) ; 5.52,40.5 U4.5 6.93,40.5 ; IC1.12 v1(24.71,58.65) ; IC1.18 v1(12.88,55.65) ; U5.5 v1(17.55,39.29) ; IC1.27 v1(16.82,45.93)